# Altium PCB Copy of master.PcbDoc (part 3 of 7)
Units mm, origin at the board's own origin, x right, y up, seen from the top; angles counter-clockwise.
Board outline 160 x 120 mm, 6 copper layers (Top Signal, Top GND, Inner PWR, Inner Signal, Bottom GND, Bottom Signal), stack 1.571 mm thick; 553 components, 452 nets, 2073 pads, 879 vias.
Unrouted connection lines stored in the file: 269.
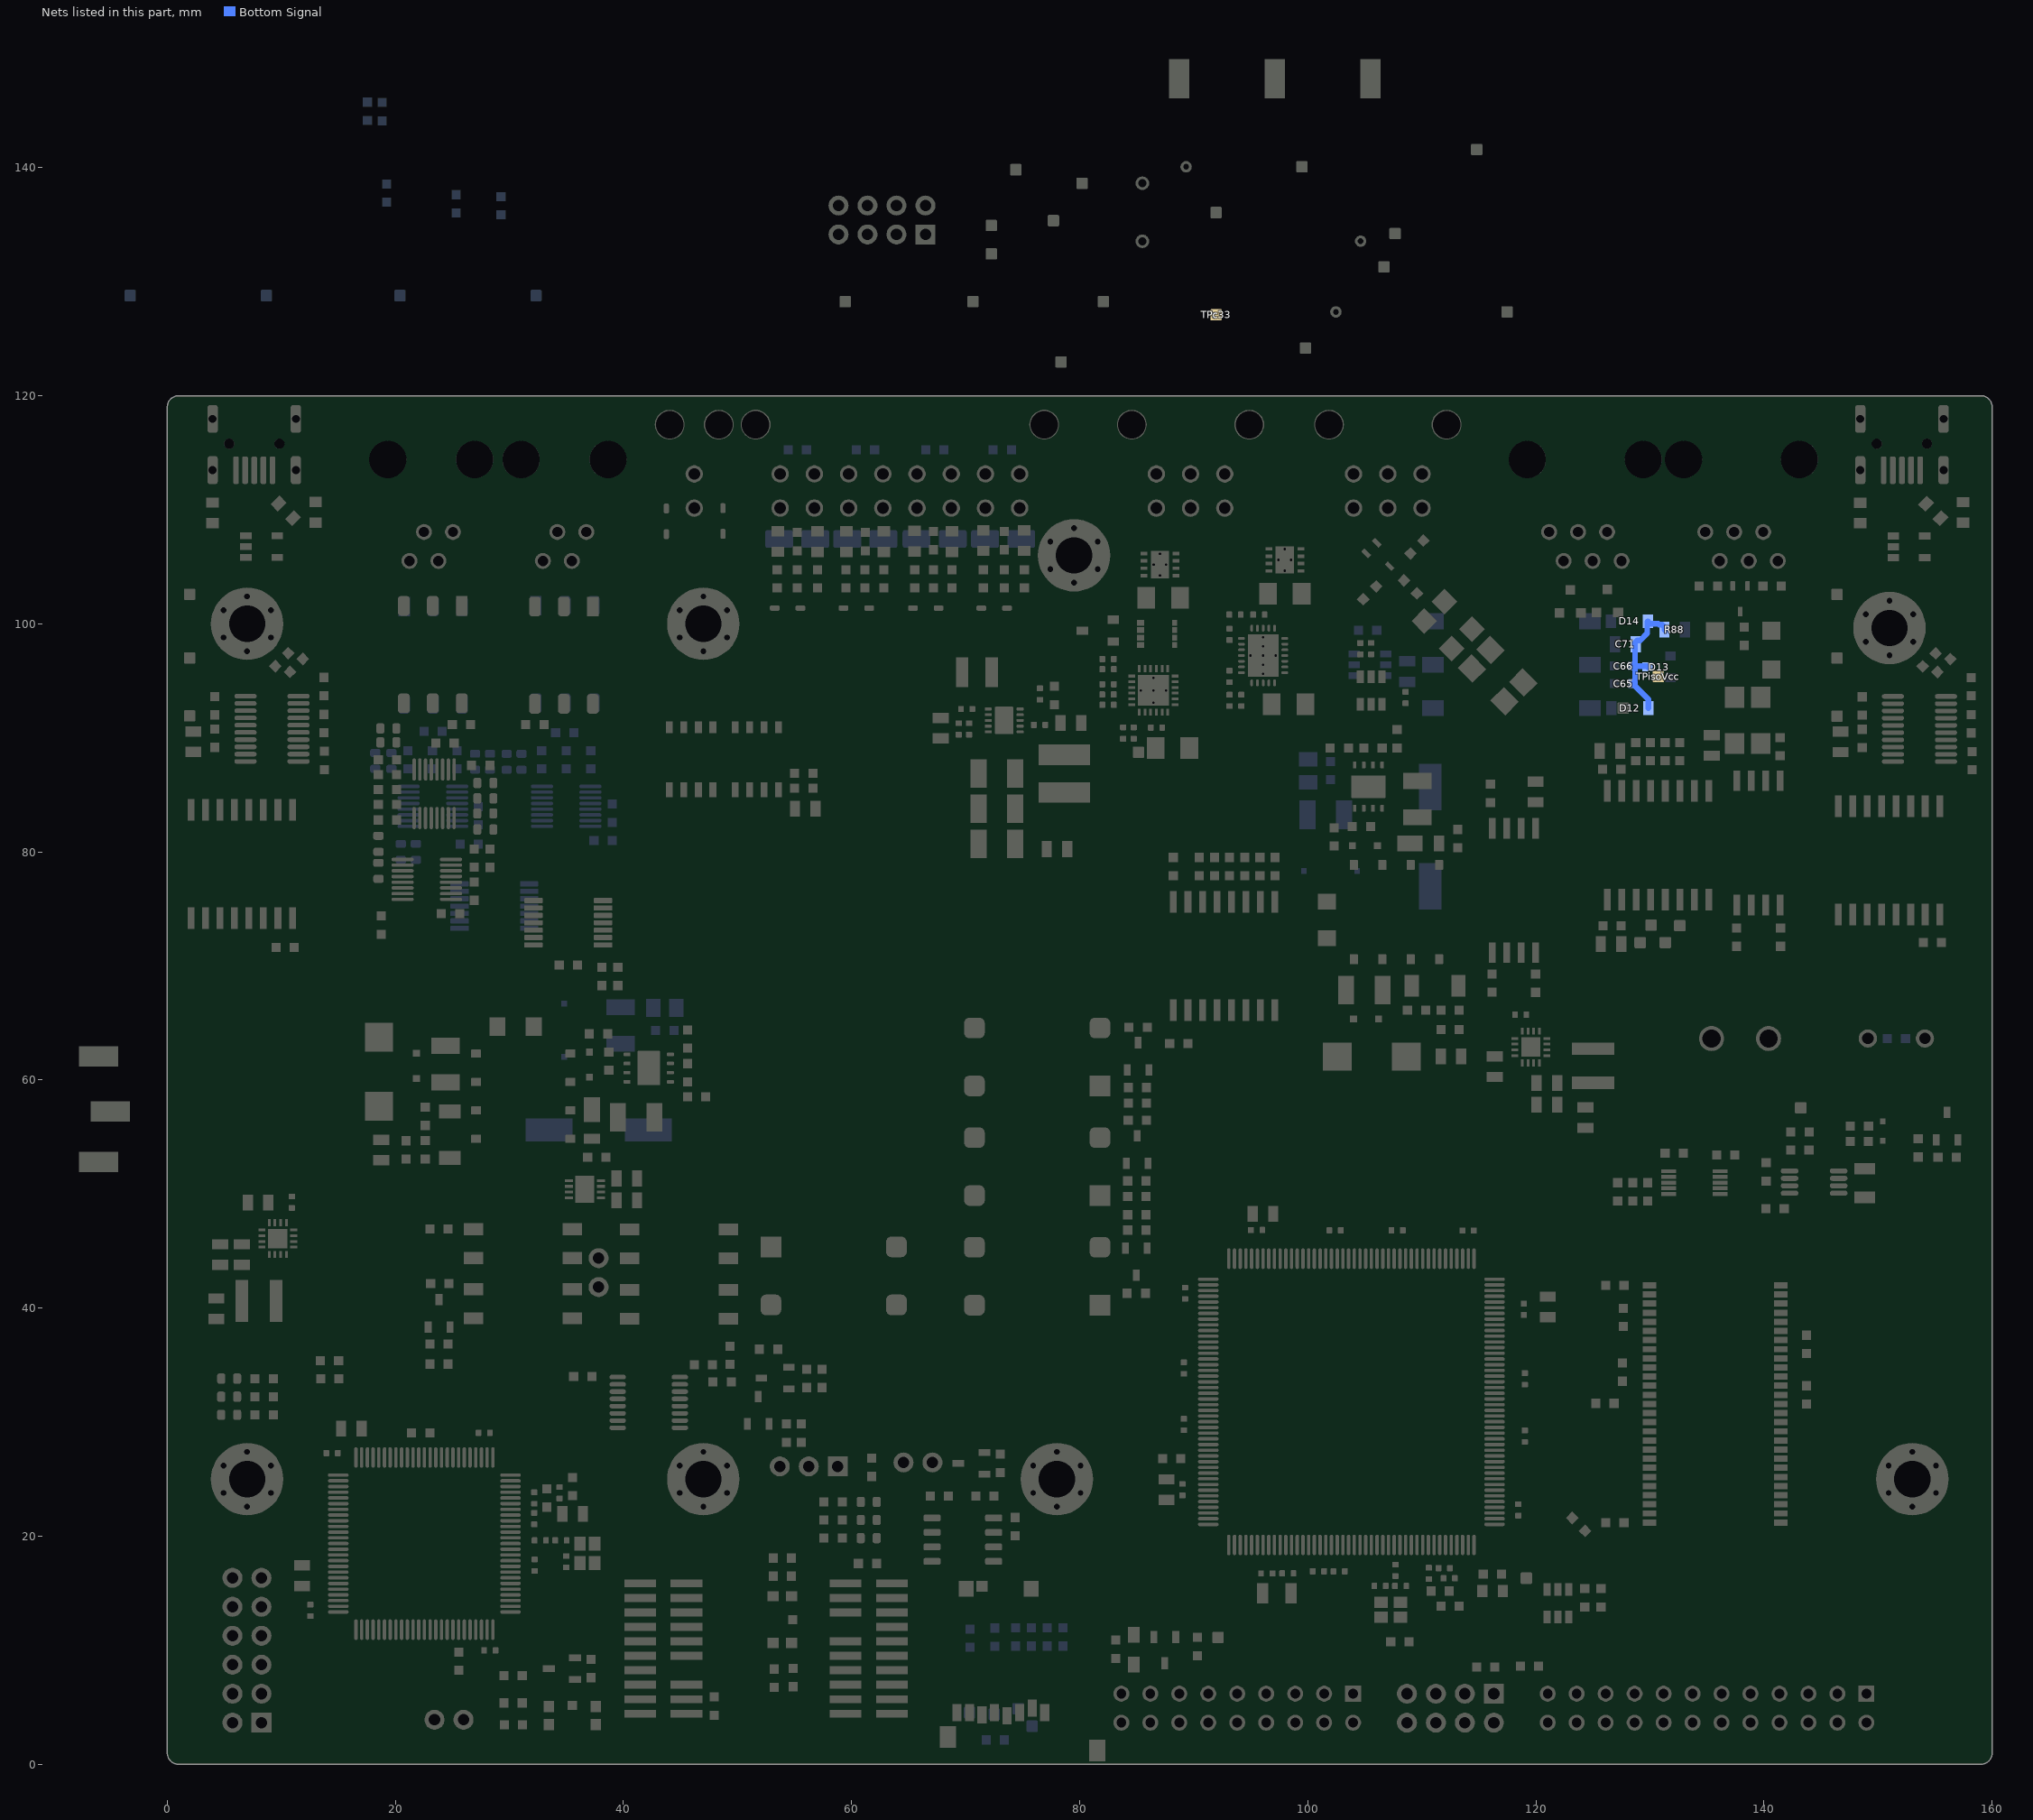
[diagram p7: the nets of this part, all layers, seen from the top]

## Footprints (in the part's own frame and the unit in brackets; to place one, negate y for a bottom-side part, rotate by r counter-clockwise, add the part's x,y. Pads: shape width x height; smd on the part's side, far side on the other; paste and mask are expansions set on the pad) (continued)
STM-LQFP176_N [mm] "Thin QFP, 176-Leads, Body 24x24mm, Pitch 0.5mm, IPC Medium Density"
  oval 1.8x0.3 smd: 1(-12.55,10.75) 2(-12.55,10.25) 3(-12.55,9.75) 4(-12.55,9.25) 5(-12.55,8.75) 6(-12.55,8.25) 7(-12.55,7.75) 8(-12.55,7.25) 9(-12.55,6.75) 10(-12.55,6.25) 11(-12.55,5.75) 12(-12.55,5.25) 13(-12.55,4.75) 14(-12.55,4.25) 15(-12.55,3.75) 16(-12.55,3.25) 17(-12.55,2.75) 18(-12.55,2.25) 19(-12.55,1.75) 20(-12.55,1.25) 21(-12.55,0.75) 22(-12.55,0.25) 23(-12.55,-0.25) 24(-12.55,-0.75) 25(-12.55,-1.25) 26(-12.55,-1.75) 27(-12.55,-2.25) 28(-12.55,-2.75) 29(-12.55,-3.25) 30(-12.55,-3.75) 31(-12.55,-4.25) 32(-12.55,-4.75) 33(-12.55,-5.25) 34(-12.55,-5.75) 35(-12.55,-6.25) 36(-12.55,-6.75) 37(-12.55,-7.25) 38(-12.55,-7.75) 39(-12.55,-8.25) 40(-12.55,-8.75) 41(-12.55,-9.25) 42(-12.55,-9.75) 43(-12.55,-10.25) 44(-12.55,-10.75) 89(12.55,-10.75) 90(12.55,-10.25) 91(12.55,-9.75) 92(12.55,-9.25) 93(12.55,-8.75) 94(12.55,-8.25) 95(12.55,-7.75) 96(12.55,-7.25) 97(12.55,-6.75) 98(12.55,-6.25) 99(12.55,-5.75) 100(12.55,-5.25) 101(12.55,-4.75) 102(12.55,-4.25) 103(12.55,-3.75) 104(12.55,-3.25) 105(12.55,-2.75) 106(12.55,-2.25) 107(12.55,-1.75) 108(12.55,-1.25) 109(12.55,-0.75) 110(12.55,-0.25) 111(12.55,0.25) 112(12.55,0.75) 113(12.55,1.25) 114(12.55,1.75) 115(12.55,2.25) 116(12.55,2.75) 117(12.55,3.25) 118(12.55,3.75) 119(12.55,4.25) 120(12.55,4.75) 121(12.55,5.25) 122(12.55,5.75) 123(12.55,6.25) 124(12.55,6.75) 125(12.55,7.25) 126(12.55,7.75) 127(12.55,8.25) 128(12.55,8.75) 129(12.55,9.25) 130(12.55,9.75) 131(12.55,10.25) 132(12.55,10.75)
  oval 0.3x1.8 smd: 45(-10.75,-12.55) 46(-10.25,-12.55) 47(-9.75,-12.55) 48(-9.25,-12.55) 49(-8.75,-12.55) 50(-8.25,-12.55) 51(-7.75,-12.55) 52(-7.25,-12.55) 53(-6.75,-12.55) 54(-6.25,-12.55) 55(-5.75,-12.55) 56(-5.25,-12.55) 57(-4.75,-12.55) 58(-4.25,-12.55) 59(-3.75,-12.55) 60(-3.25,-12.55) 61(-2.75,-12.55) 62(-2.25,-12.55) 63(-1.75,-12.55) 64(-1.25,-12.55) 65(-0.75,-12.55) 66(-0.25,-12.55) 67(0.25,-12.55) 68(0.75,-12.55) 69(1.25,-12.55) 70(1.75,-12.55) 71(2.25,-12.55) 72(2.75,-12.55) 73(3.25,-12.55) 74(3.75,-12.55) 75(4.25,-12.55) 76(4.75,-12.55) 77(5.25,-12.55) 78(5.75,-12.55) 79(6.25,-12.55) 80(6.75,-12.55) 81(7.25,-12.55) 82(7.75,-12.55) 83(8.25,-12.55) 84(8.75,-12.55) 85(9.25,-12.55) 86(9.75,-12.55) 87(10.25,-12.55) 88(10.75,-12.55) 133(10.75,12.55) 134(10.25,12.55) 135(9.75,12.55) 136(9.25,12.55) 137(8.75,12.55) 138(8.25,12.55) 139(7.75,12.55) 140(7.25,12.55) 141(6.75,12.55) 142(6.25,12.55) 143(5.75,12.55) 144(5.25,12.55) 145(4.75,12.55) 146(4.25,12.55) 147(3.75,12.55) 148(3.25,12.55) 149(2.75,12.55) 150(2.25,12.55) 151(1.75,12.55) 152(1.25,12.55) 153(0.75,12.55) 154(0.25,12.55) 155(-0.25,12.55) 156(-0.75,12.55) 157(-1.25,12.55) 158(-1.75,12.55) 159(-2.25,12.55) 160(-2.75,12.55) 161(-3.25,12.55) 162(-3.75,12.55) 163(-4.25,12.55) 164(-4.75,12.55) 165(-5.25,12.55) 166(-5.75,12.55) 167(-6.25,12.55) 168(-6.75,12.55) 169(-7.25,12.55) 170(-7.75,12.55) 171(-8.25,12.55) 172(-8.75,12.55) 173(-9.25,12.55) 174(-9.75,12.55) 175(-10.25,12.55) 176(-10.75,12.55)
  silkscreen extent -12.67,-11.25 11.25,11.57, body extent -13,-13 13,13, height 1.6
Testpoint_D1V [mm] "Testpunkt, Via, rund 1mm"
  round 1 smd paste-0.5: 1(0,0)
  round 0.9 hole 0.5 mask-0.15: 1(0,0)
Testpoint_Keystone_Miniature [mil]
  rect 135x70 smd: 1(0,0)
  silkscreen extent -78,-46 78,45, body extent -52,-20 52,20, height 61
Testpoint_S1 [mm] "Testpunkt, quardratisch 1mm"
  rrect20% 1x1 smd paste-0.5: 1(0,0)
TRANS_NexFET_Q3 [mm]
  rect 0.63x0.5 smd mask+0.076: 1(-1.49,0.975) 2(-1.49,0.325) 3(-1.49,-0.325) 4(-1.49,-0.975)
  rect 0.41x0.5 smd mask+0.076: 5(1.49,-0.975) 6(1.49,-0.325) 7(1.49,0.325) 8(1.49,0.975)
  Top Signal region: -0.615,-1.225 1.285,-1.225 1.285,1.225 -0.615,1.225
  silkscreen extent -2.05,-2 2,2, body extent -1.76,-1.7 1.66,1.7, height 1.11
TSOP80P1180X120-54N [mm] "TSOP, 54-Leads, Body 22,22x10,16mm, Pitch 0,80mm, IPC Medium Density"
  rect 1.2x0.55 smd: 1(-5.75,10.4) 2(-5.75,9.6) 3(-5.75,8.8) 4(-5.75,8) 5(-5.75,7.2) 6(-5.75,6.4) 7(-5.75,5.6) 8(-5.75,4.8) 9(-5.75,4) 10(-5.75,3.2) 11(-5.75,2.4) 12(-5.75,1.6) 13(-5.75,0.8) 14(-5.75,0) 15(-5.75,-0.8) 16(-5.75,-1.6) 17(-5.75,-2.4) 18(-5.75,-3.2) 19(-5.75,-4) 20(-5.75,-4.8) 21(-5.75,-5.6) 22(-5.75,-6.4) 23(-5.75,-7.2) 24(-5.75,-8) 25(-5.75,-8.8) 26(-5.75,-9.6) 27(-5.75,-10.4) 28(5.75,-10.4) 29(5.75,-9.6) 30(5.75,-8.8) 31(5.75,-8) 32(5.75,-7.2) 33(5.75,-6.4) 34(5.75,-5.6) 35(5.75,-4.8) 36(5.75,-4) 37(5.75,-3.2) 38(5.75,-2.4) 39(5.75,-1.6) 40(5.75,-0.8) 41(5.75,0) 42(5.75,0.8) 43(5.75,1.6) 44(5.75,2.4) 45(5.75,3.2) 46(5.75,4) 47(5.75,4.8) 48(5.75,5.6) 49(5.75,6.4) 50(5.75,7.2) 51(5.75,8) 52(5.75,8.8) 53(5.75,9.6) 54(5.75,10.4)
  silkscreen extent -5.87,-11.2 4.75,11.35, body extent -5.88,-11.2 5.88,11.2, height 1.2
USOP-8 [mm]
  oval 1.55x0.45 smd paste-0.025: 1(-2.15,0.975) 2(-2.15,0.325) 3(-2.15,-0.325) 4(-2.15,-0.975) 5(2.15,-0.975) 6(2.15,-0.325) 7(2.15,0.325) 8(2.15,0.975)
  silkscreen extent -2.28,-1.5 0.97,1.87, body extent -1.5,-1.5 1.5,1.5, height 1.2
VISH-POWERPAKSO-8_V [mm] "SMD, 8-Leads, Body 6.15x5.155mm, Pitch 1.27mm"
  rect 1.27x0.61 smd: 1(-2.67,1.905) 2(-2.67,0.635) 3(-2.67,-0.635) 4(-2.67,-1.905)
  rect 1.02x0.61 smd: 5(2.795,-1.905) 6(2.795,-0.635) 7(2.795,0.635) 8(2.795,1.905)
  Top Signal region: -1.215,-1.955 2.595,-1.955 2.595,1.955 -1.215,1.955
  silkscreen extent -3.98,1.78 -3.73,2.03, body extent -3.08,-2.58 3.08,2.58, height 1.12
WE-TPC-M1 [mm]
  rect 0.5x0.5 smd: 1(-2.35,0) 2(2.325,0)
  Top Signal region: -0.75,1.64 -1.005,1.504 -1.279,1.279 -1.504,1.005 -1.671,0.692 -1.774,0.353 -1.809,0 -1.774,-0.353 -1.671,-0.692 -1.504,-1.005 -1.279,-1.279 -1.005,-1.504 -0.75,-1.64 -0.75,-2.65 -2.75,-2.65 -2.75,2.65 -0.75,2.65
  Top Signal region: 0.75,1.64 1.005,1.504 1.279,1.279 1.504,1.005 1.671,0.692 1.774,0.353 1.809,0 1.774,-0.353 1.671,-0.692 1.504,-1.005 1.279,-1.279 1.005,-1.504 0.75,-1.64 0.75,-2.65 2.75,-2.65 2.75,2.65 0.75,2.65
  silkscreen extent -3,-3 3,3, body extent -2.5,-2.5 2.5,2.5, height 2

## Part data
2_1 2_2: "Imported", Manufacturer_Part_Number=PA4332.222NLT, RefDes=RefDes, TYPE=TYPE, Vendor="Pulse Engineering"
BT400: library part BATTERY_1, "Eaton 330mF, 5.5v, -20 to +80, Ultracapacitor, KW-5R5C334H-R", Capacitance=330mF, Manufacturer 1="Eaton - Electronics Division", Manufacturer Part Number 1=KW-5R5C334H-R, DBDesc="330m 5.5V super capacitor -40-+85degC 13.5mm 8.5mm tall, RoHS compliant (DUPLICATE OF ID#22645)", ID=27713, Pricing 1="400=2.49000, 800=2.39000, 1600=2.29000, 2400=2.29000, 4000=2.19000 (USD)", RoHS=No, Stock 1=0, Supplier 1=Avnet, Supplier Part Number 1=KW-5R5C334H-R
C1_1 C1_2 C31 C48: library part gen_C_ceramic_4u7_16V_X7R_0805, "Ceramic, 4.7µF, ±10%, 16V, X7R, –55 to 125°C, 0805 (2012),RoHS, Automotive", Capacitance=4u7, Case EIA=0805, Case Metric=2012, Dielectric=X7R, Manufacturer=Murata, Manufacturer_Part_Number=GCJ21BR71C475KA01, Operating Temperature="–55 to 125°C", PnP Package=C_0805_10, PnP Value=4.7µF/16V/X7R, Rated Voltage=16V, Supplier Part Number 1=490-10557-1-ND, Tolerance=±10%, Automotive Qualified=True, AVT Set=x, Height - Seated (Max)=1.25mm, Mounting Type=SurfaceMount,MLCC, Part Number=GCJ21BR71C475KA01, Series=GCJ, Supplier 1=Digi-Key
C2 C6 C13_1 C13_2 C14_1 C14_2 C16_1 C16_2 C90_1 C90_2: library part gen_C_ceramic_10u_10V_X7R_0805, "Ceramic, 10µF, ±10%, 10V, X7R, –55 to 125°C, 0805 (2012),RoHS, Automotive", Capacitance=10µF, Case EIA=0805, Case Metric=2012, Dielectric=X7R, Manufacturer=Murata, Manufacturer_Part_Number=GCJ21BR71A106KE01, Operating Temperature="–55 to 125°C", PnP Package=C_0805_10, PnP Value=10µF/10V/X7R, Rated Voltage=10V, Supplier Part Number 1=490-12646-1-ND, Tolerance=±10%, Automotive Qualified=True, Height - Seated (Max)=1.25mm, Mounting Type=SurfaceMount,MLCC, Part Number=GCJ21BR71A106KE01, Series=GCJ, Supplier 1=Digi-Key
C3_1 C3_2 C4_1 C4_2 C7_1 C7_2 C10_1 C10_2 C23 C29 C37 C40 C41 C42 C43 C44 C45 C46 C47 C50 C68 C79 C83 C93_1 C93_2 C94_1 C94_2 C96 C98 C100 C101 C102 C104 C105 C108 C119 C120 C250_1 C250_2 C250_3 C250_4 C1201 C1203 C1205 C1209: library part gen_C_ceramic_100n_50V_X7R_0603, "Ceramic, 100nF, ±10%, 50V, X7R, –55 to 125°C, 0603 (1608),RoHS, Automotive", Capacitance=100n, Case EIA=0603, Case Metric=1608, Dielectric=X7R, Manufacturer=Murata, Manufacturer_Part_Number=GCJ188R71H104KA12, Operating Temperature="–55 to 125°C", PnP Package=C_0603_10, PnP Value=100nF/50V/X7R, Rated Voltage=50V, Supplier Part Number 1=490-5798-1-ND, Tolerance=±10%, Automotive Qualified=True, Height - Seated (Max)=0.8mm, Mounting Type=SurfaceMount,MLCC, Part Number=GCJ188R71H104KA12, Series=GCJ, Supplier 1=Digi-Key
  C3_1 C3_2 C4_1 C4_2 C7_1 C7_2 C10_1 C10_2 C23 C29 C37 C40 C41 C42 C43 C44 C45 C46 C47 C50 C68 C79 C83 C93_1 C93_2 C94_1 C94_2 C96 C98 C100 C101 C104 C105 C119 C120 C1201 C1203 C1205 C1209: PnP equipped=x
C5_1 C5_2 C35_1 C35_2: library part CMP-0009182-2, "CAP, CERM, 4.7 uF, 100 V, +/- 10%, X7S, 1210", Cap_Case=1210, Manufacturer=MuRata, Supplier Part Number 1=81-GRM32DC72A475KE1L, TempCo=X7S, Tolerance_%=10%, Value1=Unknown, Value2=100V, ValueDisplayed=4.7uF, AEC Category=Q200, AEC Grade=N/A, AEC Qualified=N, Cap_F=4.7µF, ComponentLink1Description="Datasheet link", ComponentLink1URL=http://search.murata.co.jp/Ceramy/image/img/A01X/G101/ENG/GRM32DC72A475KE01-01.pdf, CompType=Capacitor, LatestRevisionDate=2017-03-09, MountType=SMT, PackageReference=1210, PartNumber=GRM32DC72A475KE01L, Polarized=N, Published=2008-06-19, Publisher="Texas Instruments", RoHS=Y, SizeArea_mm2=8, SizeAreaWB_mm2=14.7, SizeX_mm=3.2, SizeY_mm=2.5, SizeZ_mm=2.2, Supplier 1=Mouser, TaMax_C=125°C, TaMin_C=-55°C, Technology=Ceramic, U/M=EA, VDC_V=100V
C8 C12 C60 C88: library part gen_C_ceramic_2u2_50V_X7R_0805, "Ceramic, 2.2µF, ±10%, 25V, X7R, –55 to 125°C, 0805 (2012),RoHS, Automotive", Capacitance=2u2, Case EIA=0805, Case Metric=2012, Dielectric=X7R, Manufacturer=Murata, Manufacturer_Part_Number=GCJ21BR71E225KA01, Operating Temperature="–55 to 125°C", PnP Package=C_0805_10, PnP Value=2.2µF/25V/X7R, Rated Voltage=25V, Tolerance=±10%, Automotive Qualified=True, Height - Seated (Max)=1.25mm, Mounting Type=SurfaceMount,MLCC, Part Number=GCJ21BR71E225KA01, Series=GCJ
C9 C11 C20 C21 C25 C26 C27 C32 C49 C52 C53 C54 C58 C62 C63 C64 C69 C74 C76 C77 C78 C84 C85 C86 C87: library part gen_C_ceramic_100n_50V_X7R_0402, "Ceramic, 100nF, ±10%, 50V, X7R, –55 to 125°C, 0402 (1005),RoHS, Automotive", Capacitance=100n, Case EIA=0402, Case Metric=1005, Dielectric=X7R, Manufacturer=Murata, Manufacturer_Part_Number=GCM155R71H104KE02, Operating Temperature="–55 to 125°C", PnP Package=C_0402_10, PnP Value=100nF/50V/X7R, Rated Voltage=50V, Supplier Part Number 1=490-10672-1-ND, Tolerance=±10%, Automotive Qualified=True, Height - Seated (Max)=0.5mm, Mounting Type=SurfaceMount,MLCC, Part Number=GCM155R71H104KE02, PnP equipped=x, Series=GCM, Supplier 1=Digi-Key
C15: "Ceramic, 100nF, ±20%, 50V, X7R, –55 to 125°C, 0805 (2012),RoHS, Automotive", Capacitance=100n, Case EIA=0603, Case Metric=1608, Dielectric=X7R, Manufacturer=Murata, Manufacturer_Part_Number=GCJ188R71H104KA12, Operating Temperature="–55 to 125°C", PnP Package=C_0603_10, PnP Value=100nF/50V/X7R, Rated Voltage=50V, Supplier Part Number 1=490-5798-1-ND, Tolerance=±10%, Automotive Qualified=True, Height - Seated (Max)=0.8mm, Mounting Type=SurfaceMount,MLCC, Part Number=GCJ188R71H104KA12, Series=GCJ, Supplier 1=Digi-Key
C17: library part gen_C_ceramic_10u_50V_X7R_1210, "Ceramic, 10uF, 50 V, -55 to 125 degC, 2-Pin SMD (1210), RoHS, Tape and Reel", Capacitance=10uF, Case Code - in=1210, Case Code - mm=3225, Dielectric=X7R, Manufacturer=AVX, Manufacturer 1="Kyocera AVX", Manufacturer Part Number 1=12105C106KAT2A, Maximum Operating Temperature=+125C, Minimum Operating Temperature=-55C, Operating Temperature="–55 to 125°C", Operating Temperature Range=-55Cto+125C, Package / Case=1210(3225metric), Package Description="2-Pin Surface Mount Device, Body 3.2 x 2.5 mm", PnP Package=C_1210_10, PnP Value=10µF/25V/X7R, Rated Voltage=25V, Temperature Coefficient / Code=+/-15%, Tolerance=±10%, Voltage Rating=50V, Brand=AVX, Case EIA=1210, Case Metric=3225, Datasheet URL=http://www.farnell.com/datasheets/1818074.pdf, Datasheet Version=03/2014, Factory Pack Quantity=1000, Height - Seated (Max)=2.5mm, Load Life=1000h, Manufacturer URL=http://www.avx.com/, Mounting Technology=SurfaceMount, Mounting Type=SurfaceMount,MLCC, Package Reference=1210, Packaging=Reel, Product=GeneralTypeMLCCs, Product Category=MultilayerCeramicCapacitorsMLCC-SMD/SMT, RoHS=Details, Series=GCM, Termination Style=SMD/SMT, TYPE=CommercialSurfaceMountChip, Voltage Rating DC=50V
C18: "Ceramic, 100nF, ±20%, 50V, X7R, –55 to 125°C, 0805 (2012),RoHS, Automotive", Capacitance=100n, Case EIA=0805, Case Metric=2012, Dielectric=X7R, Manufacturer=Murata, Operating Temperature="–55 to 125°C", PnP Package=C_0805_10, Rated Voltage=50V, Supplier Part Number 1=490-5798-1-ND, Tolerance=±10%, Automotive Qualified=True, Height - Seated (Max)=0.8mm, Mounting Type=SurfaceMount,MLCC, Series=GCJ, Supplier 1=Digi-Key
C19_1 C19_2: "Ceramic, 390pF, ±5%, 25V, C0G, 25 to 125°C, 0402 (1005),RoHS, Automotive", Capacitance=18p, Case EIA=0402, Case Metric=1005, Dielectric=C0G, Manufacturer=Murata, Manufacturer_Part_Number=GCM1555C1H180JA16#, Operating Temperature="25 to 125°C", PnP Package=C_0402_10, PnP Value=18pF/50V/X7R, Rated Voltage=50V, Supplier Part Number 1=490-12650-1-ND, Tolerance=±5%, Automotive Qualified=True, Height - Seated (Max)=0.5mm, Mounting Type=SurfaceMount,MLCC, Part Number=GCM1555C1H180JA16#, Series=GCM, Supplier 1=Digi-Key
C22_1 C22_2 C109_1 C109_2: library part CMP-0007255-4, "CAP, CERM, 22 pF, 100 V, +/- 5%, C0G/NP0, 0603", Cap_Case=0603, Manufacturer=MuRata, Supplier Part Number 1=490-1335-1-ND, TempCo=C0G/NP0, Tolerance_%=5%, Value1=Unknown, Value2=100V, ValueDisplayed=22pF, AEC Category=Q200, AEC Qualified=?, Cap_F=22pF, ComponentLink1Description="Datasheet link", ComponentLink1URL=http://search.murata.co.jp/Ceramy/PnsearchViewAction.do?HnOFG=ON&HnNFG=ON&SEL_CNT=50&sLang=en&sKey=GRM1885C2A220JA01D&x=9&y=9&search=startwith, CompType=Capacitor, LatestRevisionDate=2017-03-09, MountType=SMT, PackageReference=0603, PartNumber=GRM1885C2A220JA01D, Polarized=N, Published=2008-06-19, Publisher="Texas Instruments", RoHS=Y, SizeArea_mm2=1.28, SizeAreaWB_mm2=4.68, SizeX_mm=1.6, SizeY_mm=0.8, SizeZ_mm=1, Supplier 1=Digi-Key, Supplier 2=Mouser, Supplier Part Number 2=81-GRM1885C2A220JA01, TaMax_C=125°C, TaMin_C=-55°C, Technology=Ceramic, U/M=EA, VDC_V=100V
C24_1 C24_2 C95_1 C95_2: library part CMP-0007470-5, "CAP, CERM, 0.1 uF, 100 V, +/- 10%, X7R, 0603", Cap_Case=0603, Manufacturer=MuRata, Supplier Part Number 1=490-6439-1-ND, TempCo=X7R, Tolerance_%=10%, Value1=Unknown, Value2=100V, ValueDisplayed=0.1uF, AEC Category=Q200, AEC Qualified=?, Cap_F=100nF, ComponentLink1Description="Datasheet link", ComponentLink1URL=http://search.murata.co.jp/Ceramy/image/img/A01X/G101/ENG/GRM188R72A104KA35-01.pdf, CompType=Capacitor, LatestRevisionDate=2017-03-09, MountType=SMT, PackageReference=0603, PartNumber=GRM188R72A104KA35J, Polarized=N, Published=2008-06-19, Publisher="Texas Instruments", RoHS=Y, SizeArea_mm2=1.28, SizeAreaWB_mm2=4.68, SizeX_mm=1.6, SizeY_mm=0.8, SizeZ_mm=1, Supplier 1=Digi-Key, Supplier 2=Mouser, Supplier Part Number 2=81-GRM188R72A104KA5J, TaMax_C=125°C, TaMin_C=-55°C, Technology=Ceramic, U/M=EA, VDC_V=100V
C28 C34 C56 C73 C75 C80 C92_1 C92_2 C99: library part gen_C_ceramic_1u_25V_X7R_0603, "Ceramic, 1.0µF, ±10%, 25V, X7R, –55 to 125°C, 0603 (1608),RoHS, Automotive", Capacitance=1µF, Case EIA=0603, Case Metric=1608, Dielectric=X7R, Manufacturer=Murata, Manufacturer_Part_Number=GCJ188R71E105KA01, Operating Temperature="–55 to 125°C", PnP Package=C_0603_10, PnP Value=1.0µF/25V/X7R, Rated Voltage=25V, Supplier Part Number 1=490-14409-1-ND, Tolerance=±10%, Automotive Qualified=True, Height - Seated (Max)=0.8mm, Mounting Type=SurfaceMount,MLCC, Part Number=GCJ188R71E105KA01, Series=GCJ, Supplier 1=Digi-Key
C30 C33 C59 C61 C67 C70: library part gen_C_ceramic_18p_50V_C0G_0402, "Ceramic, 18pF, ±5%, 50V, X7R, 25 to 125°C, 0402 (1005),RoHS, Automotive", Capacitance=18p, Case EIA=0402, Case Metric=1005, Dielectric=C0G, Manufacturer=Murata, Manufacturer_Part_Number=GCM1555C1H180JA16#, Operating Temperature="25 to 125°C", PnP Package=C_0402_10, PnP Value=18pF/50V/X7R, Rated Voltage=50V, Supplier Part Number 1=490-12650-1-ND, Tolerance=±5%, Automotive Qualified=True, Height - Seated (Max)=0.5mm, Mounting Type=SurfaceMount,MLCC, Part Number=GCM1555C1H180JA16#, Series=GCM, Supplier 1=Digi-Key
C36_1 C36_2: library part CMP-0011203-2, "CAP, AL, 33 uF, 100 V, +/- 20%, 0.7 ohm, AEC-Q200 Grade 2, SMD", Cap_Case=G, Manufacturer=Panasonic, Supplier Part Number 1=PCE3846CT-ND, Tolerance_%=20%, Value1="0.7 ohm", Value2=100V, ValueDisplayed=33uF, AEC Category=Q200, AEC Grade=2, AEC Qualified=Y, Cap_F=33µF, ComponentLink1Description="Datasheet link", ComponentLink1URL=https://industrial.panasonic.com/cdbs/www-data/pdf/RDE0000/ABA0000C1181.pdf, CompType=Capacitor, ESR_ohm=7d, IRMS_A=2dA, LatestRevisionDate=2017-03-09, MountType=SMT, PackageReference="SMT Radial G", PartNumber=EEE-FK2A330P, Polarized=Y, Publisher="Texas Instruments", RoHS=Y, Series=FK, SizeArea_mm2=123.6, SizeAreaWB_mm2=172.2, SizeX_mm=12, SizeY_mm=10.3, SizeZ_mm=10.2, Supplier 1=Digi-Key, Supplier 2=Mouser, Supplier 3=Farnell, Supplier Part Number 2=667-EEE-FK2A330P, Supplier Part Number 3=1850130, TaMax_C=105°C, TaMin_C=-55°C, Technology=AL, U/M=EA, VDC_V=100V
C38 C39 C121 C124: library part gen_C_ceramic_1u_100V_X7R_1206, "Chip Capacitor, 1 uF, +/- 10%, 100 V, -55 to 125 degC, 1206 (3216 Metric), RoHS, Tape and Reel", Capacitance=1µF, Case EIA=1206, Dielectric=X7R, Manufacturer=Murata, Operating Temperature=-55degC~125degC, Package / Case=1206(3216Metric), Package Description="2-Pin Surface Mount Device, Body 3.2 x 1.6 mm", PnP Package=C_1206_10, PnP Value=1.0µF/100V/X7R, Rated Voltage=100V, Ratings=-, Standard Package=1, Tolerance=±10%, Applications=GeneralPurpose, Catalog Drawings=GRMSeries_1206_1.6, Category=Capacitors, Datasheet URL=https://datasheet.ciiva.com/29199/454987-da-01-en-vs-kondensator-1206-29199435.pdf, Datasheet Version=Sep-11, Family=CeramicCapacitors, Featured Product=GA3SafetyRecognizedCapsandHi-CapMLCC, Features=-, Height - Seated (Max)=-, Lead Spacing=-, Lead Style=-, Manufacturer URL=http://www.murata.com/, Mounting Type=SurfaceMount,MLCC, Online Catalog=GRMSeries, Other Names=490-3909-6, Package Reference=1206, Packaging=Digi-Reel, Product Training Modules=High-CapMultilayerCeramicCapacitors, Series=GRM, Size / Dimension="0.126\"Lx0.063\"W(3.20mmx1.60mm)", Temperature Coefficient=X7R, Thickness (Max)="0.071\"(1.80mm)", Voltage - Rated=100V
C51_1 C51_2: library part CMP-0074683-2, "CAP, Aluminum Polymer, 220 µF, 6.3 V,+/- 20%, 0.01 ohm, 7343-31 SMD", Cap_Case=7343-31, Manufacturer=MuRata, PartNumber=ECASD60J227M010K00, Supplier Part Number 1=490-12529-1-ND, Tolerance_%=20%, Value1="0.01 ohm", Value2=6.3V, ValueDisplayed=220µF, AEC Category=Q200, AEC Grade=N/A, AEC Qualified=N, Cap_F=220µF, ComponentLink1Description="Datasheet link", ComponentLink1URL=http://www.murata.com/~/media/webrenewal/support/library/catalog/products/capacitor/polymer/c90e.ashx, CompType=Capacitor, ESR_ohm=0.01, IRMS_A=3A, MountType=SMT, PackageReference=7343-31, Polarized=Y, RoHS=Y, Series=ECAS, SizeArea_mm2=31.39, SizeAreaWB_mm2=58.59, SizeX_mm=7.3, SizeY_mm=4.3, SizeZ_mm=3.1, Supplier 1=Digi-Key, Supplier 2=Newark, Supplier 3=Mouser, Supplier Part Number 2=11AC3033, Supplier Part Number 3=81-ECASD60J227M010K0, TaMax_C=105°C, TaMin_C=-40°C, Technology="Aluminum Polymer", VDC_V=6.3V
C55_1 C55_2: library part CMP-0009199-2, "CAP, CERM, 100 uF, 6.3 V, +/- 20%, X6S, 1210", Cap_Case=1210, Manufacturer=MuRata, Supplier Part Number 1=GRM32EC80J107ME20L-ND, TempCo=X6S, Tolerance_%=20%, Value1=Unknown, Value2=6.3V, ValueDisplayed=100uF, AEC Category=Q200, AEC Qualified=?, Cap_F=100µF, ComponentLink1Description="Datasheet link", ComponentLink1URL=http://search.murata.co.jp/Ceramy/PnsearchViewAction.do?HnOFG=ON&HnNFG=ON&SEL_CNT=50&sLang=en&sKey=GRM32EC80J107ME20L&x=9&y=9&search=startwith, CompType=Capacitor, LatestRevisionDate=2017-03-09, MountType=SMT, PackageReference=1210, PartNumber=GRM32EC80J107ME20L, Polarized=N, Published=2008-06-19, Publisher="Texas Instruments", RoHS=Y, SizeArea_mm2=8, SizeAreaWB_mm2=14.7, SizeX_mm=3.2, SizeY_mm=2.5, SizeZ_mm=2.7, Supplier 1=Digi-Key, Supplier 2=Mouser, Supplier 3=Farnell, Supplier Part Number 2=81-GRM32EC80J107ME0L, Supplier Part Number 3=1889302, TaMax_C=105°C, TaMin_C=-55°C, Technology=Ceramic, U/M=EA, VDC_V=6.3V
C57 C122: library part gen_C_ceramic_10n_50V_X7R_0402, "Ceramic, 10nF, ±10%, 50V, X7R, –55 to 125°C, 0402 (1005),RoHS, Automotive", Capacitance=10n, Case EIA=0402, Case Metric=1005, Dielectric=X7R, Part Number=GRT155R71H104KE01, PnP Package=C_0402_10, PnP Value=10n/50V/X7R, Rated Voltage=50V, Automotive Qualified=True
C65: "Ceramic, 100nF, ±10%, 50V, X7R, –55 to 125°C, 0603 (1608),RoHS, Automotive", Capacitance=100n, Case EIA=0603, Case Metric=1608, Dielectric=X7R, Manufacturer=Murata, Manufacturer_Part_Number=GCJ188R71H104KA12, Operating Temperature="–55 to 125°C", PnP Package=C_0603_10, PnP Value=100nF/50V/X7R, Rated Voltage=50V, Supplier Part Number 1=490-5798-1-ND, Tolerance=±10%, Automotive Qualified=True, Height - Seated (Max)=0.8mm, Mounting Type=SurfaceMount,MLCC, Part Number=GCJ188R71H104KA12, Series=GCJ, Supplier 1=Digi-Key
C66 C110: "Ceramic, 1.0µF, ±10%, 25V, X7R, –55 to 125°C, 0603 (1608),RoHS, Automotive", Capacitance=1µF, Case EIA=0603, Case Metric=1608, Dielectric=X7R, Manufacturer=Murata, Manufacturer_Part_Number=GCJ188R71E105KA01, Operating Temperature="–55 to 125°C", PnP Package=C_0603_10, PnP Value=1.0µF/25V/X7R, Rated Voltage=25V, Supplier Part Number 1=490-14409-1-ND, Tolerance=±10%, Automotive Qualified=True, Height - Seated (Max)=0.8mm, Mounting Type=SurfaceMount,MLCC, Part Number=GCJ188R71E105KA01, Series=GCJ, Supplier 1=Digi-Key
C71 C72: "Ceramic, 10µF, ±10%, 10V, X7R, –55 to 125°C, 0805 (2012),RoHS, Automotive", Capacitance=10µF, Case EIA=0805, Case Metric=2012, Dielectric=X7R, Manufacturer=Murata, Manufacturer_Part_Number=GCJ21BR71A106KE01, Operating Temperature="–55 to 125°C", PnP Package=C_0805_10, PnP Value=10µF/10V/X7R, Rated Voltage=10V, Supplier Part Number 1=490-12646-1-ND, Tolerance=±10%, Automotive Qualified=True, Height - Seated (Max)=1.25mm, Mounting Type=SurfaceMount,MLCC, Part Number=GCJ21BR71A106KE01, Series=GCJ, Supplier 1=Digi-Key
C81 C82 C91: library part gen_C_ceramic_22u_16V_X7R_1210, "Ceramic, 22uF, 16 V, -55 to 125 degC, 2-Pin SMD (1210), RoHS, Tape and Reel", Capacitance=10uF, Case Code - in=1210, Case Code - mm=3225, Dielectric=X7R, Manufacturer=AVX, Manufacturer 1="Kyocera AVX", Manufacturer Part Number 1=12105C106KAT2A, Maximum Operating Temperature=+125C, Minimum Operating Temperature=-55C, Operating Temperature="–55 to 125°C", Operating Temperature Range=-55Cto+125C, Package / Case=1210(3225metric), Package Description="2-Pin Surface Mount Device, Body 3.2 x 2.5 mm", PnP Package=C_1210_10, PnP Value=22µF/16V/X7R, Rated Voltage=16V, Temperature Coefficient / Code=+/-15%, Tolerance=±10%, Voltage Rating=50V, Brand=AVX, Case EIA=1210, Case Metric=3225, Datasheet URL=http://www.farnell.com/datasheets/1818074.pdf, Datasheet Version=03/2014, Factory Pack Quantity=1000, Height - Seated (Max)=2.5mm, Load Life=1000h, Manufacturer URL=http://www.avx.com/, Mounting Technology=SurfaceMount, Mounting Type=SurfaceMount,MLCC, Package Reference=1210, Packaging=Reel, Product=GeneralTypeMLCCs, Product Category=MultilayerCeramicCapacitorsMLCC-SMD/SMT, RoHS=Details, Series=GCM, Termination Style=SMD/SMT, TYPE=CommercialSurfaceMountChip, Voltage Rating DC=50V
C89 C103: library part gen_C_ceramic_10n_50V_X7R_0603, "Ceramic, 10nF, ±10%, 50V, X7R, –55 to 125°C, 0603 (1608),RoHS, Automotive", Capacitance=10n, Case EIA=0603, Case Metric=1608, Dielectric=X7R, Manufacturer=Murata, Manufacturer_Part_Number=GCJ188R71H102KA01, Operating Temperature="–55 to 125°C", PnP Package=C_0603_10, PnP Value=10nF/50V/X7R, Rated Voltage=50V, Supplier Part Number 1=490-5768-1-ND, Tolerance=±10%, Automotive Qualified=True, Height - Seated (Max)=0.8mm, Mounting Type=SurfaceMount,MLCC, Part Number=GCJ188R71H102KA01, Series=GCJ, Supplier 1=Digi-Key
C97_1 C97_2 C107_1 C107_2: "CAP, CERM, 56 pF, 50 V, +/- 5%, C0G/NP0, 0603", Cap_Case=0603, Manufacturer=MuRata, Supplier Part Number 1=490-1421-1-ND, TempCo=C0G/NP0, Tolerance_%=5, Value1=Unknown, Value2=50V, ValueDisplayed=56pF, AEC Category=Q200, AEC Qualified=?, Cap_F=0.000000000056, ComponentLink1Description="Datasheet link", ComponentLink1URL=http://search.murata.co.jp/Ceramy/PnsearchViewAction.do?HnOFG=ON&HnNFG=ON&SEL_CNT=50&sLang=en&sKey=GRM1885C1H560JA01D&x=9&y=9&search=startwith, CompType=Capacitor, LatestRevisionDate=2017-03-07, MountType=SMT, PackageReference=0603, PartNumber=GRM1885C1H560JA01D, Polarized=N, Published=2008-06-19, Publisher="Texas Instruments", RoHS=Y, SizeArea_mm2=1.28, SizeAreaWB_mm2=4.68, SizeX_mm=1.6, SizeY_mm=0.8, SizeZ_mm=1, Supplier 1=Digi-Key, Supplier 2=Mouser, Supplier 3=Farnell, Supplier Part Number 2=81-GRM39C560J50, Supplier Part Number 3=1828911, SymbolVersion=2008-07-09, TaMax_C=125, TaMin_C=-55, Technology=Ceramic, U/M=EA, VDC_V=50
C106_1 C106_2: "CAP, CERM, 4700 pF, 50 V, +/- 10%, X7R, AEC-Q200 Grade 1, 0603", Cap_Case=0603, Manufacturer=MuRata, Supplier Part Number 1=490-4932-1-ND, TempCo=X7R, Tolerance_%=10, Value1=Unknown, Value2=50V, ValueDisplayed=4700pF, AEC Category=Q200, AEC Grade=1, AEC Qualified=Y, Cap_F=0.0000000047, ComponentLink1Description="Datasheet link", ComponentLink1URL=http://psearch.murata.com/capacitor/product/GCM188R71H472KA37%23.pdf, CompType=Capacitor, LatestRevisionDate=2017-03-07, MountType=SMT, PackageReference=0603, PartNumber=GCM188R71H472KA37D, Polarized=N, Published=2008-06-19, Publisher="Texas Instruments", RoHS=Y, SizeArea_mm2=1.28, SizeAreaWB_mm2=4.68, SizeX_mm=1.6, SizeY_mm=0.8, SizeZ_mm=1, Supplier 1=Digi-Key, Supplier 2=Mouser, Supplier Part Number 2=81-GCM188R71H472K37D, SymbolVersion=2008-07-09, TaMax_C=125, TaMin_C=-55, Technology=Ceramic, U/M=EA, VDC_V=50
C111_1 C111_2: library part CMP-0008572-2, "CAP, CERM, 1000 pF, 2000 V, +/- 10%, X7R, 1206_190", Cap_Case=1206, Manufacturer="Johanson Technology", TempCo=X7R, Tolerance_%=10%, Value1=Unknown, Value2=2000V, ValueDisplayed=1000pF, AEC Category=Q200, AEC Qualified=?, Cap_F=1nF, ComponentLink1Description="Datasheet link", ComponentLink1URL=http://www.johansondielectrics.com/images/stories/catalog/JDI-Product-Catalog.pdf, CompType=Capacitor, LatestRevisionDate=2017-03-09, MountType=SMT, PackageReference=1206_190, PartNumber=202R18W102KV4E, Polarized=N, Published=2008-06-19, Publisher="Texas Instruments", RoHS=Y, SizeArea_mm2=5.12, SizeAreaWB_mm2=10.92, SizeX_mm=3.2, SizeY_mm=1.6, SizeZ_mm=1.9, TaMax_C=125°C, TaMin_C=-55°C, Technology=Ceramic, U/M=EA, VDC_V=2kV
C112_1 C112_2: library part CMP-0007141-5, "CAP, CERM, 0.047 uF, 25 V, +/- 10%, X7R, AEC-Q200 Grade 1, 0603", Cap_Case=0603, Manufacturer=MuRata, Supplier Part Number 1=490-8018-1-ND, TempCo=X7R, Tolerance_%=10%, Value1=Unknown, Value2=25V, ValueDisplayed=0.047uF, AEC Category=Q200, AEC Grade=1, AEC Qualified=Y, Cap_F=47nF, ComponentLink1Description="Datasheet link", ComponentLink1URL=http://psearch.murata.com/capacitor/product/GCM188R71E473KA37%23.pdf, CompType=Capacitor, LatestRevisionDate=2017-03-09, MountType=SMT, PackageReference=0603, PartNumber=GCM188R71E473KA37D, Polarized=N, Published=2008-06-19, Publisher="Texas Instruments", RoHS=Y, SizeArea_mm2=1.28, SizeAreaWB_mm2=4.68, SizeX_mm=1.6, SizeY_mm=0.8, SizeZ_mm=1, Supplier 1=Digi-Key, Supplier 2=Mouser, Supplier Part Number 2=81-GCM188R71E473KA7D, TaMax_C=125°C, TaMin_C=-55°C, Technology=Ceramic, U/M=EA, VDC_V=25V
C113: "Ceramic, 390pF, ±5%, 25V, C0G, 25 to 125°C, 0402 (1005),RoHS, Automotive", Capacitance=1500p, Case EIA=0402, Case Metric=1005, Dielectric=C0G, Manufacturer=Murata, Operating Temperature="25 to 125°C", PnP Package=C_0402_10, PnP Value=1500p/50V/C0G, Rated Voltage=50V, Tolerance=±5%, Automotive Qualified=True, Height - Seated (Max)=0.5mm, Mounting Type=SurfaceMount,MLCC, Series=GCM, Supplier 1=Digi-Key
C114: "Ceramic, 390pF, ±5%, 50V, C0G, 25 to 125°C, 0402 (1005),RoHS, Automotive", Capacitance=1200p, Case EIA=0402, Case Metric=1005, Dielectric=C0G, Manufacturer=Murata, Operating Temperature="25 to 125°C", PnP Package=C_0402_10, PnP Value=1200pF/50V/C0G, Rated Voltage=50V, Tolerance=±5%, Automotive Qualified=True, Height - Seated (Max)=0.5mm, Mounting Type=SurfaceMount,MLCC, Series=GCM, Supplier 1=Digi-Key
C115: "Ceramic, 10nF, ±10%, 50V, X7R, –55 to 125°C, 0402 (1005),RoHS, Automotive", Capacitance=10n, Case EIA=0402, Case Metric=1005, Dielectric=X7R, Part Number=GRT155R71H104KE01, PnP Package=C_0402_10, PnP Value=10n/50V/X7R, Rated Voltage=50V, Automotive Qualified=True
C200_1 C200_2 C251_1 C251_2 C251_3 C251_4 C1302 C1303 C1501: library part gen_C_ceramic_100n_50V_X7R_0603, "MLCC", Capacitance=100n, Case EIA=0603, Case Metric=1608, Dielectric=X7R, PnP Package=C_0603_10, PnP Value=100n/50V/X7R, Rated Voltage=50V, Supplier Part Number 1=2525267, Part Number=gen_C_ceramic_100n_50V_X7R_0603, PnP equipped=x, Supplier 1=Farnell
  C200_1 C200_2 C251_1 C251_2 C251_3 C251_4: Automotive Qualified=True, Supplier 2=Digikey, Supplier 3=Farnell, Supplier Part Number 2=490-6049-1-ND, Supplier Part Number 3=2070398
C400_1 C400_2 C400_3 C400_4: library part gen_C_ceramic_27p_50V_NP0_0603, "MLCC", Capacitance=27p, Case EIA=0603, Case Metric=1608, Dielectric=NP0, PnP Package=C_0603_05, Rated Voltage=50V, Supplier Part Number 1=2219430, Automotive Qualified=True, Part Number=gen_C_ceramic_27p_50V_NP0_0603, Supplier 1=Farnell
C1502: library part gen_C_ceramic_1u_50V_X7R_0603, "MLCC", Capacitance=1u, Case EIA=0603, Case Metric=1608, Dielectric=X7R, Operating Temperature="-55°C - +125°C", Rated Voltage=50V, Supplier Part Number 1=2779055, Tolerance="± 10%", Part Number=gen_C_ceramic_1u_50V_X7R_0603, Supplier 1=Farnell